# Altium PCB PX4FMUv2.3_PCB.PcbDoc
Units mil, origin at the board's own origin, x right, y up, seen from the top; angles counter-clockwise.
Board outline 2768.81 x 1600.42 mil, 6 copper layers (Top, Ground, Horizontal, Vertical, Power, Bottom), stack 48.469 mil thick; 202 components, 263 nets, 941 pads, 0 vias.
Unrouted connection lines stored in the file: 66.
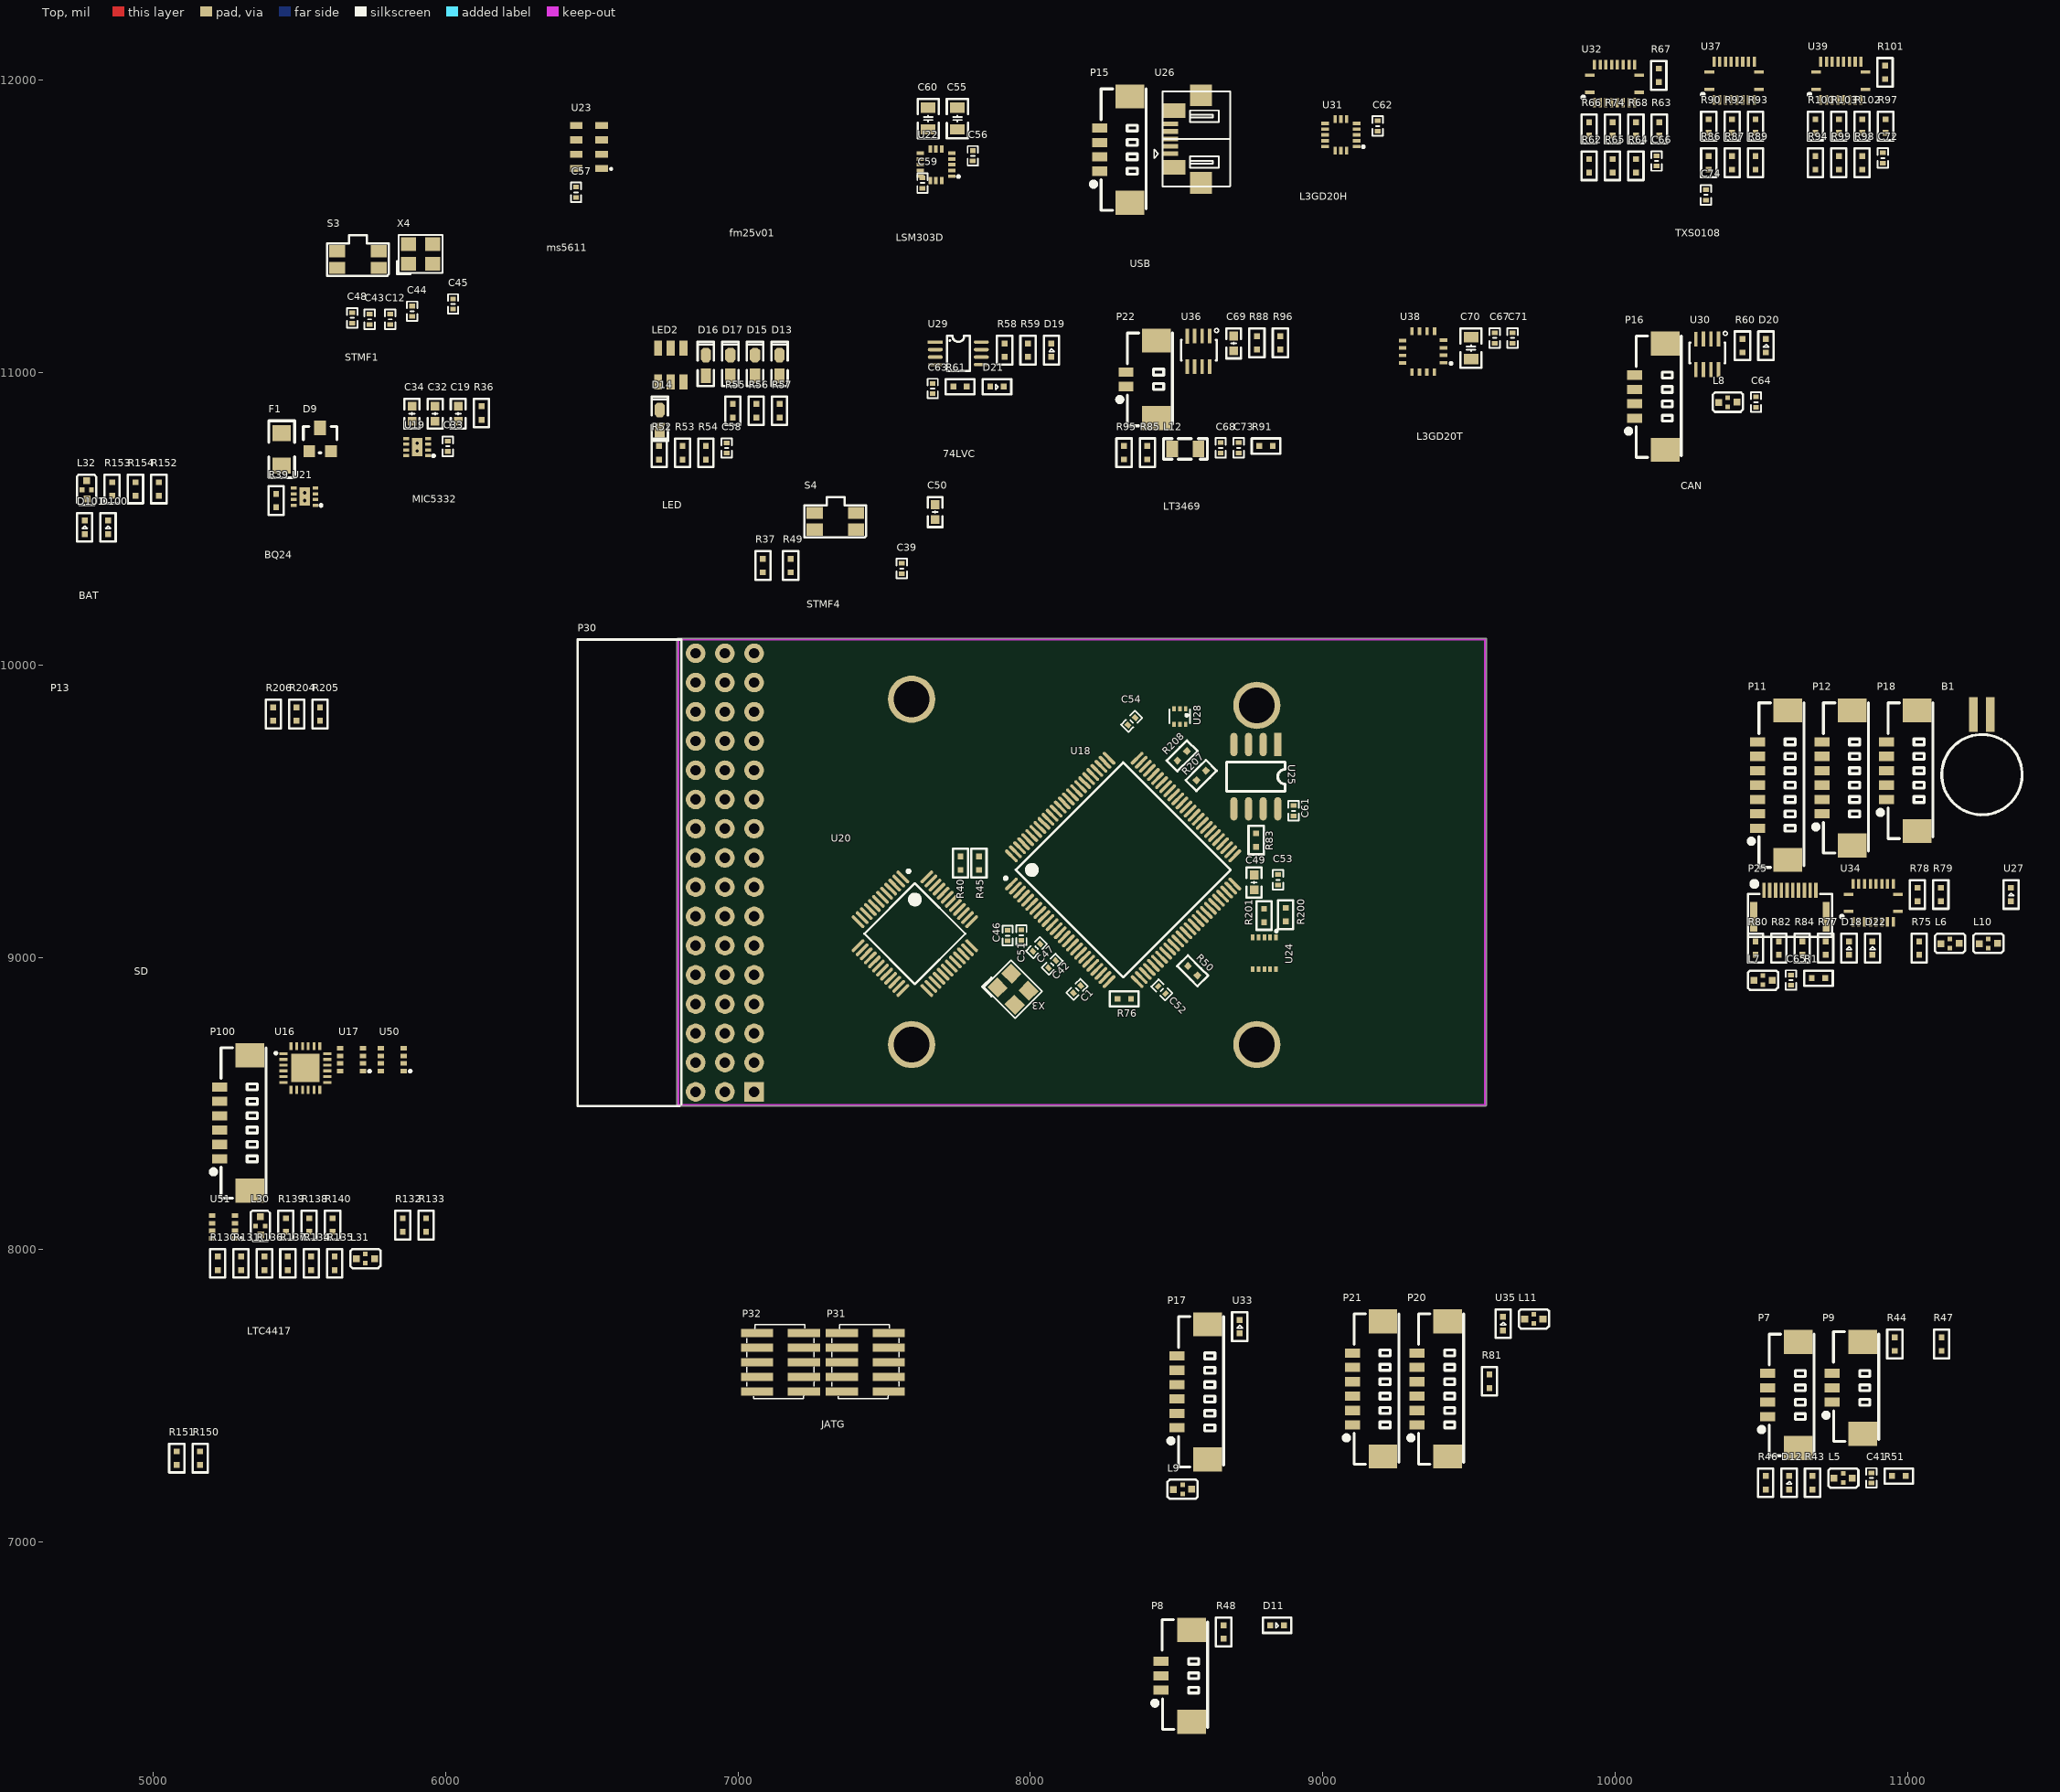
[diagram p0: Top view]
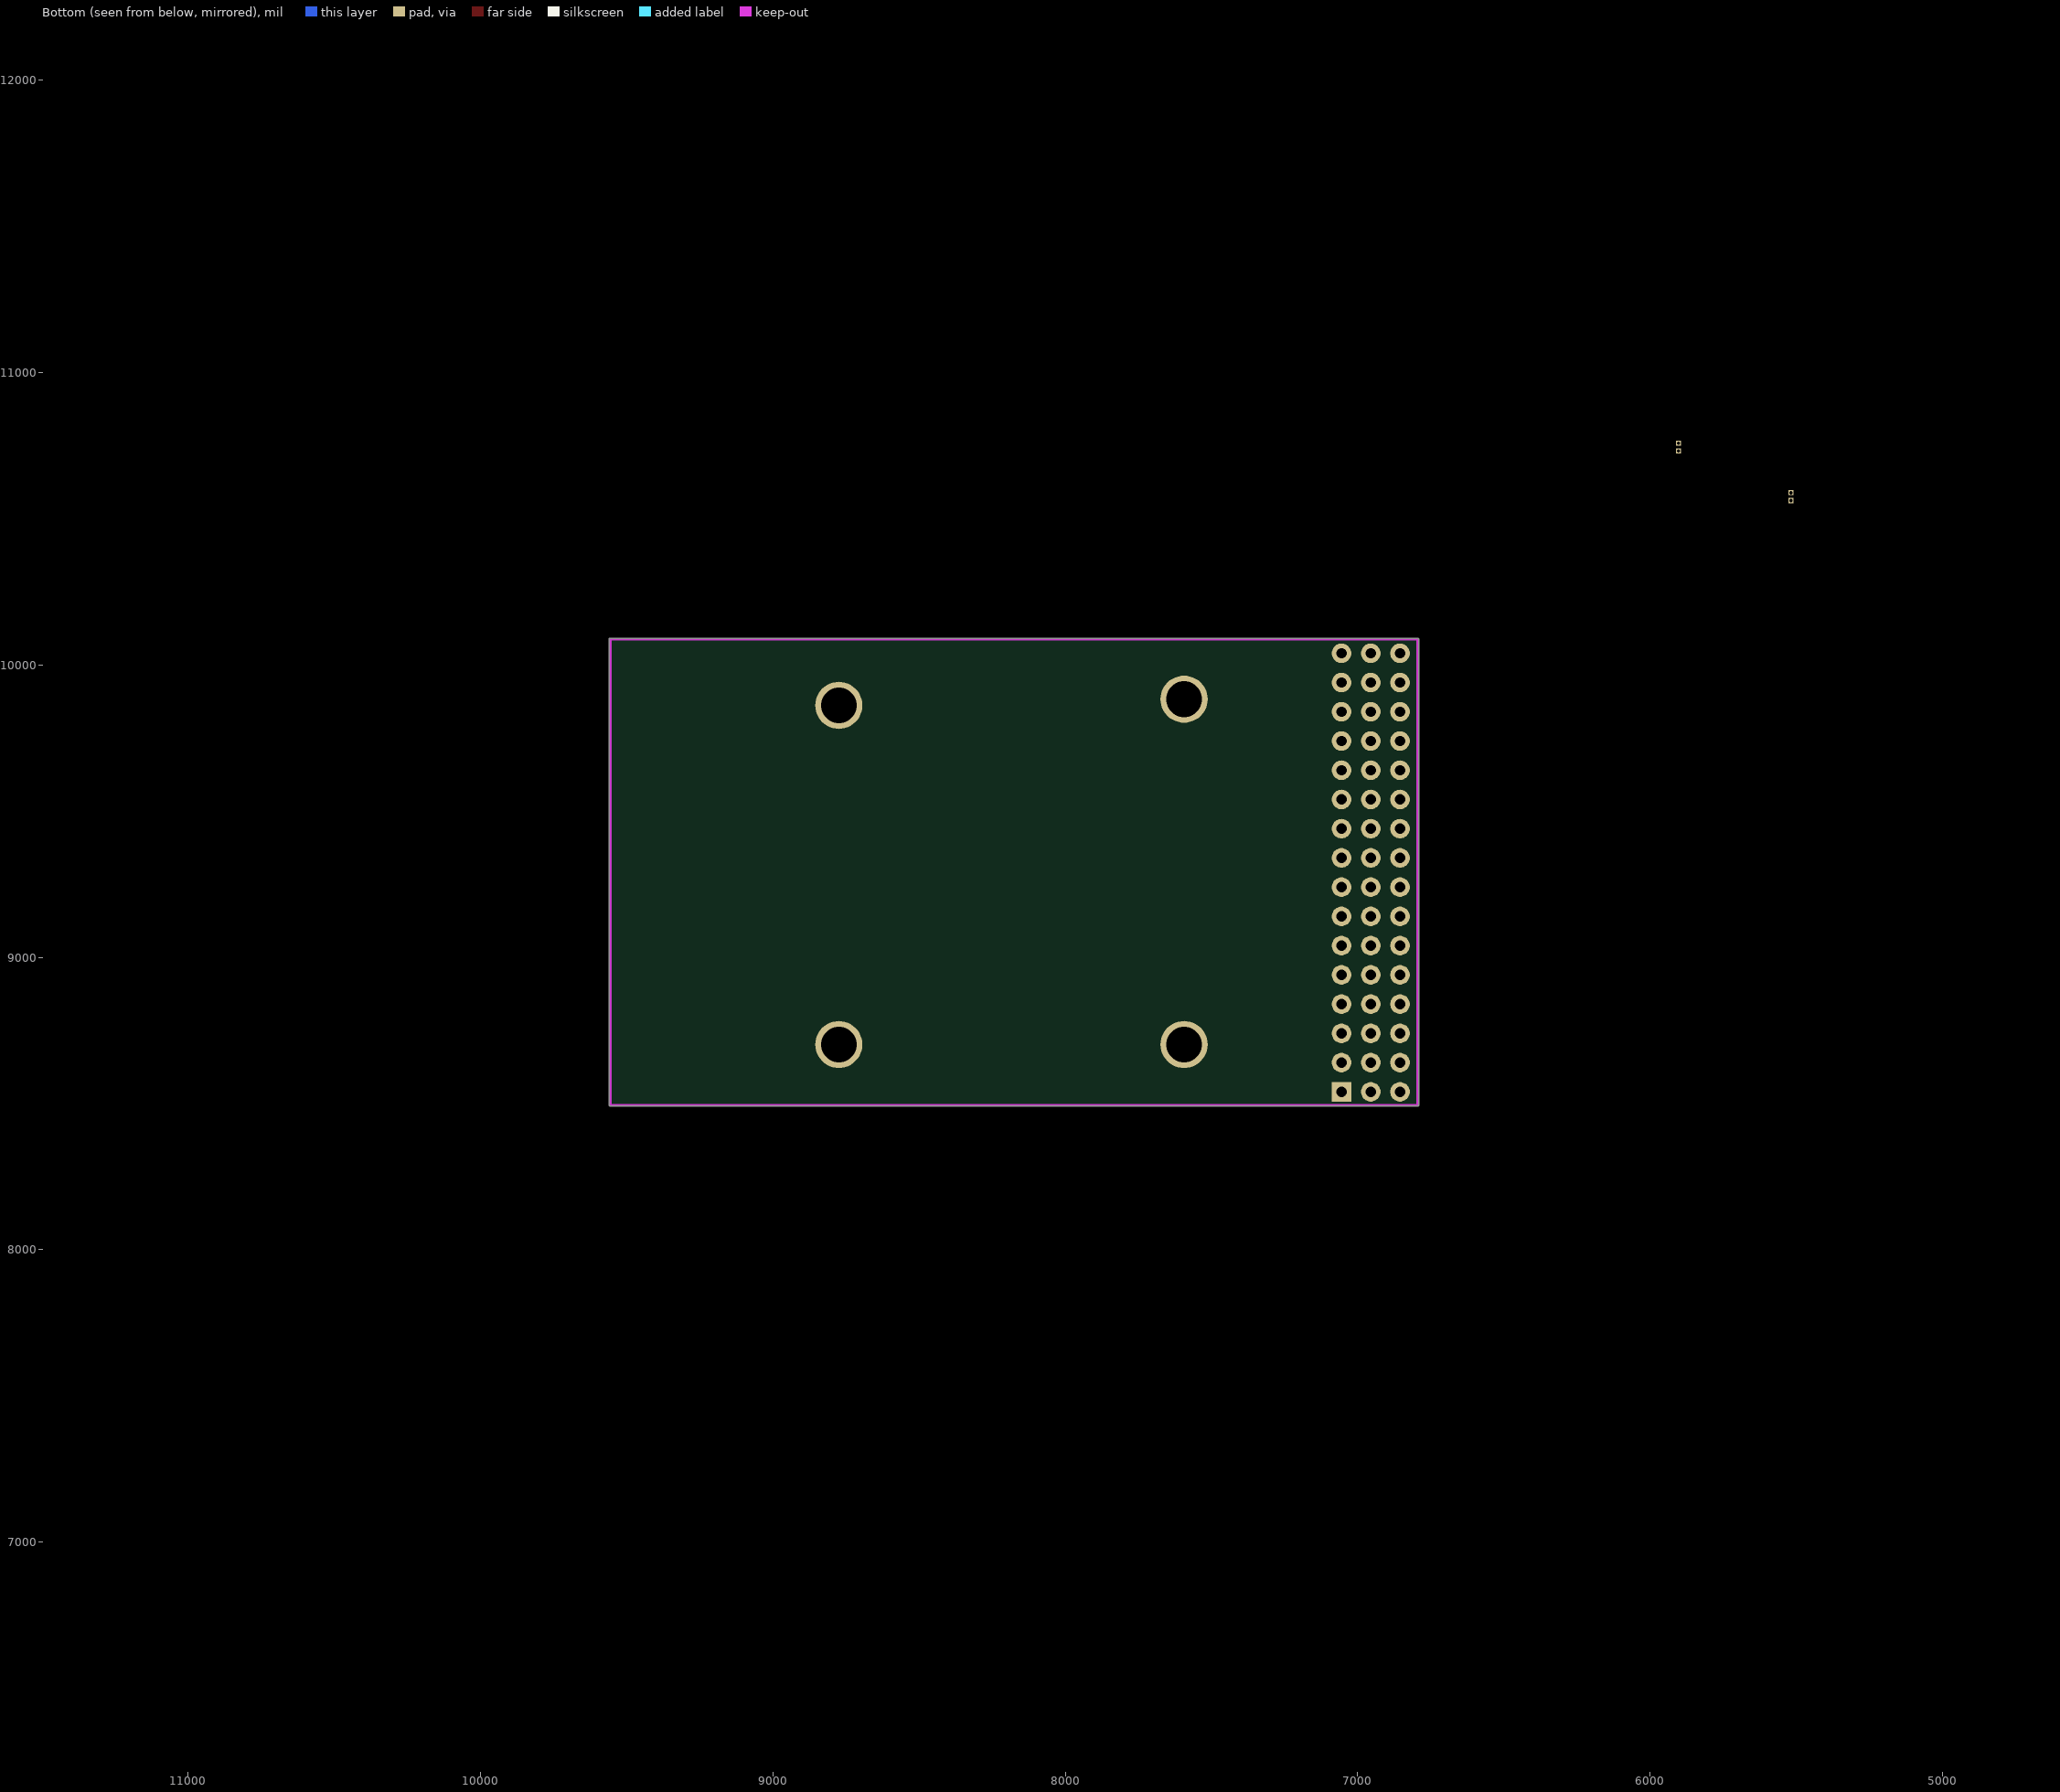
[diagram p1: Bottom view, seen from below]

## Layer stack, top to bottom
Top Solder: solder mask 0.4, Solder Resist, Dk 3.5
Top: signal copper 1.4
Dielectric 1: core 10, FR-4, Dk 4.2
Ground: signal copper 1.4173
Dielectric 3: prepreg 5, Dk 4.2
Horizontal: signal copper 1.4173
Dielectric 4: core 10, Dk 4.2
Vertical: signal copper 1.4173
Dielectric 5: prepreg 5, Dk 4.2
Power: signal copper 1.4173
Dielectric 2: core 10, Dk 4.2
Bottom: signal copper 1.4
Bottom Solder: solder mask 0.4, Solder Resist, Dk 3.5

## Board outline
6791.05,8495 ccw(c6795,8495) 6797.5,8491.94 ccw(c6800,8495) 6800,8491.05 9555.91,8491.05 ccw(c9555.91,8495) 9559.86,8495 9559.86,10087.52 ccw(c9555.91,10087.52) 9553.41,10090.58 ccw(c9550.91,10087.52) 9550.91,10091.47 6795,10091.47 ccw(c6795,10087.52) 6791.05,10087.52

## Design rules (kind name [scope] priority, off if disabled: settings)
Clearance [All] p1: gap=10 ignorepadtopadclearanceinfootprint=FALSE except(0: Arc-Hole Track-Hole SMDPad-Hole THPad-Hole Via-Hole Fill-Hole Poly-Hole Region-Hole Text-Hole)
PolygonConnect [All] p1: connectstyle=Relief reliefconductorwidth=10 reliefentries=4 polygonreliefangle="90 Angle" airgapwidth=10
RoomDefinition PX4FMUV2.3_SCH_PROJECT [InComponentClass('PX4FMUV2.3_SCH_PROJECT')] p1: confinementstyle=ConfineIn formatcopy=TRUE lockcomponents=FALSE outline 0,0 2000,0 2000,1000 0,1000
RoutingVias [All] p1: holewidth=28 width=50 viastyle="Through Hole" minholewidth=28 minwidth=50 maxholewidth=28 maxwidth=50
SolderMaskExpansion [All] p1: expansion=4
Width [All] p1: maxlimit=10 minlimit=10 preferedwidth=10
30 further rules are at their usual default settings.

## Components (designator, comment, footprint, x,y, rotation, side; value= is the part's Value field where it differs from the comment)
B1 "MS621FE" MS621FE 11340.66,9769.94 r90 top
C1 "0.1uF" "C 0402" 8159.53,8890.52 r225 top
C12 "0.1uF" "C 0402" 5810,11182.29 r90 top
C19 "1uF" "C 0603_L" 6042.95,10859.82 r90 top
C32 "1uF" "C 0603_L" 5963.77,10859.82 r90 top
C33 "10nF" "C 0402" 6007.46,10748.18 r90 top
C34 "1uF" "C 0603_L" 5884.59,10859.82 r90 top
C39 "0.1uF" "C 0402" 7560,10330 r90 top
C41 "0.1uF" "C 0402" 10876.71,7219.22 r90 top
C42 "8p" "C 0402" 8074.53,8976.52 r225 top
C43 "8p" "C 0402" 5740,11182.29 r90 top
C44 "0.1uF" "C 0402" 5885,11210 r90 top
C45 "0.1uF" "C 0402" 6025,11235 r90 top
C46 "0.1uF" "C 0402" 7922,9074.29 r90 top
C47 "8p" "C 0402" 8021,9033 r45 top
C48 "8p" "C 0402" 5680,11187.29 r90 top
C49 "2.2uF" "C 0603_L" 8765,9256 r90 top
C50 "2.2uF" "C 0603_L" 7674.04,10522.81 r90 top
C51 "0.1uF" "C 0402" 7969,9075.72 r90 top
C52 "0.1uF" "C 0402" 8449.48,8888.53 r315 top
C53 "0.1uF" "C 0402" 8847,9265 r90 top
C54 "0.1uF" "C 0402" 8346,9807 r45 top
C55 "10uF/10V" "C 0805_L" 7750,11869.07 r90 top
C56 "0.1uF" "C 0402" 7802.74,11741.68 r90 top
C57 "0.1uF" "C 0402" 6445.71,11616.69 r90 top
C58 "0.1uF" "C 0402" 6960.71,10742.2 r90 top
C59 "0.47uF" "C 0402" 7630.71,11648.76 r90 top
C60 "10uF/10V" "C 0805_L" 7650,11869.07 r90 top
C61 "0.1uF" "C 0402" 8900,9501 r270 top
C62 "0.1uF" "C 0402" 9187.74,11843.54 r90 top
C63 "0.1uF" "C 0402" 7665.71,10945.66 r90 top
C64 "0.1uF" "C 0402" 10481.71,10899.22 r90 top
C65 "0.1uF" "C 0402" 10601.71,8922.2 r90 top
C66 "0.1uF" "C 0402" 10141.71,11724.15 r90 top
C67 "0.1uF" "C 0402" 9587.8,11118.54 r90 top
C68 "0.47uF" "C 0402" 8650.71,10742.65 r90 top
C69 "1uF" "C 0603_L" 8695.2,11099.82 r90 top
C70 "10uF/10V" "C 0805_L" 9507.09,11084.07 r90 top
C71 "0.1uF" "C 0402" 9649.24,11118.54 r90 top
C72 "0.1uF" "C 0402" 10915.71,11734.15 r90 top
C73 "5.6nF" "C 0402" 8712.15,10742.65 r90 top
C74 "0.1uF" "C 0402" 10310.71,11608.15 r90 top
D9 "PMEG2005CT" SOT23 5528.12,10730.37 r0 top
D11 "PESD0402-140" 0402-TVS 8843.75,6715 r0 top
D12 "PESD0402-140" 0402-TVS 10595,7202.69 r90 top
D13 "LED_Green" "LED 0603G" 7142.05,11025 r90 top
D14 "LED_Red" "LED 0603R" 6732.26,10837.67 r90 top
D15 "LED_Blue" "LED 0603B" 7058.05,11025 r90 top
D16 "LED_Green" "LED 0603G" 6890.05,11025 r90 top
D17 "LED_Red" "LED 0603R" 6974.05,11025 r90 top
D18 "PESD0402-140" 0402-TVS 10800,9031.66 r90 top
D19 "PESD0402-140" 0402-TVS 8071.66,11077 r90 top
D20 "PESD0402-140" 0402-TVS 10515.62,11092 r90 top
D21 "PESD0402-140" 0402-TVS 7885.43,10952.13 r0 top
D22 "PESD0402-140" 0402-TVS 10880,9031.66 r90 top
D100 "PESD0402-140" 0402-TVS 4845,10471 r90 top
D101 "PESD0402-140" 0402-TVS 4765,10471 r90 top
F1 "0ZCA0035FF2G" PTC-1206 5439,10736.57 r90 top
L5 "KNH16C104DA5TS" KYOCERA-KNH16-DA 10780.3,7218.74 r0 top
L6 "KNH16C104DA5TS" KYOCERA-KNH16-DA 11145.3,9047.72 r0 top
L7 "KNH16C104DA5TS" KYOCERA-KNH16-DA 10505.3,8921.72 r0 top
L8 "KNH16C104DA5TS" KYOCERA-KNH16-DA 10385.3,10898.74 r0 top
L9 "KNH16C104DA5TS" KYOCERA-KNH16-DA 8520.3,7180.32 r0 top
L10 "KNH16C104DA5TS" KYOCERA-KNH16-DA 11276.3,9047.72 r0 top
L11 "KNH16C104DA5TS" KYOCERA-KNH16-DA 9721.8,7763.06 r0 top
L12 "47uH" "L 0805" 8530,10739.11 r0 top
L30 "KNH16C104DA5TS" KYOCERA-KNH16-DA 5366.04,8081.56 r90 top
L31 "KNH16C104DA5TS" KYOCERA-KNH16-DA 5725.3,7969.32 r0 top
L32 "KNH16C104DA5TS" KYOCERA-KNH16-DA 4771.94,10599.3 r90 top
LED2 "RGB_LED" RGB_LED 6769.9,11026.34 r90 top
P7 "I2C1" "MX 1.25-LS-4P" 10610.75,7503.39 r90 top
P8 "DF13C-3P" "MX 1.25-LS-3P" 8535.75,6395.24 r90 top
P9 "pressure" "MX 1.25-LS-3P" 10831.5,7380.24 r90 top
P11 "DF13C-7P" "MX 1.25-LS-7P" 10575.75,9589.57 r90 top
P12 "DF13C-6P" "MX 1.25-LS-6P" 10796.5,9614.17 r90 top
P13 "MICROSD" microSD 4270.97,9061.95 r0 top
P15 "DF13C-4P" "MX 1.25-LS-4P" 8325.75,11763.39 r90 top
P16 "DF13C-4P" "MX 1.25-LS-4P" 10155.75,10918.39 r90 top
P17 "DF13C-6P" "MX 1.25-LS-6P" 8590.75,7514.17 r90 top
P18 "DF13C-5P" "MX 1.25-LS-5P" 11017.25,9638.78 r90 top
P20 "DF13C-6P" "MX 1.25-LS-6P" 9411.5,7524.17 r90 top
P21 "DF13C-6P" "MX 1.25-LS-6P" 9190.75,7524.17 r90 top
P22 "DF13C-2P" "MX 1.25-LS-2P" 8415.75,10977.6 r90 top
P25 "FPC10" "FPC0.5 2H-WS-10P" 10597.94,9131.13 r0 top
P30 "3x16RA" 3x16RA 6955,9290 r180 top
P31 "ARM_miniJTAG" FTSH-105-01-XXX-DV-K 7435,7615.03 r0 top
P32 "ARM_miniJTAG" FTSH-105-01-XXX-DV-K 7145,7615.03 r0 top
P100 "DF13C-6P" "MX 1.25-LS-6P" 5315.75,8434.17 r90 top
R1 "1k" 0402R 10695.43,8928.66 r0 top
R36 "10K" 0402R 6122.54,10862 r90 top
R37 "10k" 0402R 7085,10340 r90 top
R39 "100K" 0402R 5420,10562.12 r90 top
R40 "10k" 0402R 7761,9322 r270 top
R43 "120R" 0402R 10675,7202.69 r90 top
R44 "120R" 0402R 10956.5,7677 r90 top
R45 "1.5K" 0402R 7824,9322 r90 top
R46 "1.5k" 0402R 10515,7202.69 r90 top
R47 "1.5k" 0402R 11116.5,7677 r90 top
R48 "47R" 0402R 8660.75,6692 r90 top
R49 "10k" 0402R 7180,10340 r90 top
R50 "10K" 0402R 8555,8954 r315 top
R51 "10K" 0402R 10970.43,7225.69 r0 top
R52 "120R" 0402R 6730,10725.66 r90 top
R53 "120R" 0402R 6810,10725.66 r90 top
R54 "120R" 0402R 6890,10725.66 r90 top
R55 "120R" 0402R 6982.08,10869.68 r90 top
R56 "120R" 0402R 7062.08,10869.68 r90 top
R57 "10K" 0402R 7142.08,10869.68 r90 top
R58 "220R" 0402R 7911.66,11077 r90 top
R59 "220R" 0402R 7991.66,11077 r90 top
R60 "120R" 0402R 10435.62,11092 r90 top
R61 "10K" 0402R 7759.43,10952.13 r0 top
R62 "120R" 0402R 9911,11707.61 r90 top
R63 "120R" 0402R 10151,11833.61 r90 top
R64 "120R" 0402R 10071,11707.61 r90 top
R65 "120R" 0402R 9991,11707.61 r90 top
R66 "120R" 0402R 9911,11833.61 r90 top
R67 "120R" 0402R 10149.22,12017 r90 top
R68 "120R" 0402R 10071,11833.61 r90 top
R74 "120R" 0402R 9991,11833.61 r90 top
R75 "10K" 0402R 11040,9031.66 r90 top
R76 "10K" 0402R 8321,8858 r180 top
R77 "220R" 0402R 10720,9031.66 r90 top
R78 "120R" 0402R 11034.09,9215.05 r90 top
R79 "220R" 0402R 11114.09,9215.05 r90 top
R80 "220R" 0402R 10480,9031.66 r90 top
R81 "120R" 0402R 9570,7550 r90 top
R82 "220R" 0402R 10560,9031.66 r90 top
R83 "120R" 0402R 8772,9401 r90 top
R84 "220R" 0402R 10640,9031.66 r90 top
R85 "453K" 0402R 8400,10726.11 r90 top
R86 "120R" 0402R 10320,11717.61 r90 top
R87 "120R" 0402R 10400,11717.61 r90 top
R88 "16K5" 0402R 8774.8,11102 r90 top
R89 "120R" 0402R 10480,11717.61 r90 top
R90 "120R" 0402R 10320,11843.61 r90 top
R91 "16K6" 0402R 8805.87,10749.11 r0 top
R92 "120R" 0402R 10400,11843.61 r90 top
R93 "120R" 0402R 10480,11843.61 r90 top
R94 "220R" 0402R 10685,11717.61 r90 top
R95 "10K" 0402R 8320,10726.11 r90 top
R96 "100K" 0402R 8854.8,11102 r90 top
R97 "120R" 0402R 10925,11843.61 r90 top
R98 "220R" 0402R 10845,11717.61 r90 top
R99 "220R" 0402R 10765,11717.61 r90 top
R100 "220R" 0402R 10685,11843.61 r90 top
R101 "220R" 0402R 10923.22,12027 r90 top
R102 "220R" 0402R 10845,11843.61 r90 top
R103 "220R" 0402R 10765,11843.61 r90 top
R130 "453k" 0402R 5220,7953.26 r90 top
R131 "453k" 0402R 5300,7953.26 r90 top
R132 "453k" 0402R 5852.97,8084.26 r90 top
R133 "45.3k" 0402R 5932.97,8084.26 r90 top
R134 "45.3k" 0402R 5540,7953.26 r90 top
R135 "45.3k" 0402R 5620,7953.26 r90 top
R136 "105k" 0402R 5380,7953.26 r90 top
R137 "105k" 0402R 5460,7953.26 r90 top
R138 "105k" 0402R 5532.97,8084.26 r90 top
R139 "10K" 0402R 5452.97,8084.26 r90 top
R140 "10K" 0402R 5612.97,8084.26 r90 top
R150 "10K" 0402R 5160,7287 r90 top
R151 "10K" 0402R 5080,7287 r90 top
R152 "10k" 0402R 5018.87,10602 r90 top
R153 "10k" 0402R 4858.87,10602 r90 top
R154 "10k" 0402R 4938.87,10602 r90 top
R200 "1.5K" 0402R 8873,9146 r90 top
R201 "1.5K" 0402R 8799,9143 r90 top
R204 "100k" 0402R 5490.12,9832 r90 top
R205 "100k" 0402R 5570.12,9832 r90 top
R206 "100k" 0402R 5410.12,9832 r90 top
R207 "100k" 0402R 8584,9622 r45 top
R208 "100k" 0402R 8519,9689 r45 top
S3 "RESET" EVQP7J01K 5700.07,11387.19 r0 top
S4 "RESET" EVQP7J01K 7332.76,10491.6 r0 top
U16 "LTC4417" MO-220 5519.97,8621.42 r0 top
U17 "NTHD4102P" 1206-8 5678.56,8649.96 r0 top
U18 "STM32F427VIT6" LQPF_100 8317,9299 r45 top
U19 "MIC5332" QFN8 5902.24,10745.4 r0 top
U20 "STM32F100C8T6" LQFP_48 7604.58,9080.82 r315 top
U21 "BQ24313" QFN8 5517.24,10575.88 r0 top
U22 "LSM303D" LGA_16L 7676.93,11711.21 r0 top
U23 "MS5611" MS5611 6489.96,11771.57 r0 top
U24 "TCA6272FMG" SON10 8800,9014 r90 top
U25 "FM25V01" SOIC8 8846,9728 r270 top
U26 "MicroUSB" USB-MICRO_E 8570.44,11799.6 r90 top
U27 "PESD0402-140" 0402-TVS 11354.09,9215.05 r90 top
U28 "NUF2042XV6" SOT563-6 8511,9824 r180 top
U29 "74LVC2G240" TSSOP-8 7674.59,11104.45 r0 top